# Allegro board 038RT-9068CJK8E-A100_0921.brd (continued)
## Routing (per net, layer and track width the routed paths; a pad name or vN(x,y) marks a point on that pad's centre or on a via; arc(x,y) is an arc through that point) (continued)
S1_U4_GIGA_MDI-: length 14.7
  TOP w0.105: v1(665.15,226.41) 665.25,226.31 667.14,226.31 668.3,225.15 668.3,220.59 669.59,219.31 671.64,219.31 UNK1GPHY3.2
  BOTTOM w0.105: v1(665.15,226.41) 665.05,226.31 663.54,226.31 UNK1K145.11
S1_U4_P0_MDI+: length 292.1
  L15_SIGNAL w0.1: UNK1K240.3 545.75,50.35 545.85,50.45 545.85,58.51 521.95,82.41 418.11,82.41 404.4,96.13 404.4,148.75 372.89,180.26 372.89,195.76 374.74,197.62 374.74,204.18 375.33,204.78 376.71,204.78 376.81,204.88 UNK1K60.2
S1_U4_P0_MDI-: length 291.5
  L15_SIGNAL w0.1: UNK1K60.7 376.81,204.32 376.71,204.42 375.49,204.42 375.1,204.03 375.1,197.46 373.25,195.61 373.25,180.41 404.76,148.9 404.76,96.28 418.27,82.77 522.11,82.77 546.22,58.66 546.22,50.45 546.32,50.35 UNK1K240.6
S1_U4_P1_MDI+: length 294.1
  L15_SIGNAL w0.1: UNK1K64.2 352.2,204.32 352.1,204.42 347.24,204.42 346.71,203.89 346.71,197.02 398.86,144.87 398.86,92.62 414.36,77.12 514.23,77.12 532.25,59.1 532.25,53.65 532.35,53.55 UNK1K241.3
S1_U4_P1_MDI-: length 294.7
  L15_SIGNAL w0.1: UNK1K64.7 352.2,204.88 352.1,204.78 347.09,204.78 346.35,204.04 346.35,196.87 398.5,144.72 398.5,92.47 414.21,76.76 514.08,76.76 531.88,58.95 531.88,53.65 531.78,53.55 UNK1K241.6
S1_U4_P2_R_1: length 18.2
  TOP w0.508: UNK1R542.2 UNK1GPHY2.G2 674.17,236.09 674.17,240.16 UNK1GPHY2.G1 UNK1GPHY2.G3
S1_U4_P2_R_2: length 21.8
  TOP w0.508: UNK1GPHY2.G4 679.31,238.76 682.57,242.02 UNK1GPHY2.G5 ; UNK1GPHY2.G4 UNK1R543.2 ; UNK1GPHY2.G4 UNK1GPHY2.G6
S1_U4_P2_RC_1: length 1.3
  TOP w0.508: UNK1R542.1 UNK1C441.1
S1_U4_P2_RC_2: length 1.3
  TOP w0.508: UNK1R543.1 UNK1C442.1
S1_U4_P3_R_1: length 18.4
  TOP w0.508: UNK1R540.1 UNK1GPHY3.G2 674.29,217.16 674.29,220.99 UNK1GPHY3.G1 UNK1GPHY3.G3
S1_U4_P3_R_2: length 21.8
  TOP w0.508: UNK1GPHY3.G6 UNK1GPHY3.G4 ; UNK1GPHY3.G4 679.31,219.71 682.57,222.97 UNK1GPHY3.G5 ; UNK1GPHY3.G4 UNK1R541.2
S1_U4_P3_RC_1: length 1.3
  TOP w0.508: UNK1R540.2 UNK1C439.1
S1_U4_P3_RC_2: length 1.3
  TOP w0.508: UNK1R541.1 UNK1C440.1
S1_U4_P5_MDI+: length 302.3
  L15_SIGNAL w0.1: UNK1K242.3 539.4,50.35 539.5,50.45 539.5,58.18 517.6,80.08 415.62,80.08 401.4,94.3 401.4,146.76 368.32,179.84 368.32,196.72 369.36,197.76 369.36,211 370.25,211.89 376.71,211.89 376.81,211.99 UNK1K130.2
S1_U4_P5_MDI-: length 301.7
  L15_SIGNAL w0.1: UNK1K242.6 539.97,50.35 539.87,50.45 539.87,58.33 517.75,80.44 415.77,80.44 401.77,94.45 401.77,146.91 368.68,179.99 368.68,196.57 369.72,197.61 369.72,210.85 370.4,211.53 376.71,211.53 376.81,211.43 UNK1K130.7
S1_U4_P6_MDI+: length 300.4
  L15_SIGNAL w0.1: UNK1K140.2 352.2,211.43 352.1,211.53 345.41,211.53 344.76,210.87 344.76,193.57 395.7,142.62 395.7,90.96 411.7,74.96 510,74.96 525.9,59.06 525.9,53.65 526,53.55 UNK1K243.3
S1_U4_P6_MDI-: length 301
  L15_SIGNAL w0.1: UNK1K243.6 525.43,53.55 525.53,53.65 525.53,58.91 509.85,74.59 411.55,74.59 395.34,90.81 395.34,142.47 344.39,193.42 344.39,211.02 345.26,211.89 352.1,211.89 352.2,211.99 UNK1K140.7
S1_U4PI_P0_MDI+: length 63.7
  L13_SIGNAL w0.1: UNK1MQS1.1 686.33,114.2 686.43,114.1 687.95,114.1 688.16,114.31 688.16,116.28 687.48,116.96 679.89,116.96 679.19,117.66 679.19,123.16 673.3,129.05 667.85,129.05 667.36,128.56 667.36,126.72 667.87,126.21 672.53,126.21 674.53,124.22 674.53,119.89 674.87,119.54 677.35,119.54 677.67,119.23 677.67,117.71 677.27,117.31 676.38,117.31 676.21,117.14 676.21,116.98 676.03,116.81 675.78,116.81 675.61,116.98 675.61,117.14 675.43,117.31 675.18,117.31 675.01,117.14 675.01,116.98 674.83,116.81 674.58,116.81 674.41,116.98 674.41,117.14 674.23,117.31 673.47,117.31 v2(673.27,117.11)
  BOTTOM w0.105: v2(673.27,117.11) 673.13,117.26 671.29,117.26 670.61,116.58 669.53,116.58 UNK1U17.45
S1_U4PI_P0_MDI-: length 63.7
  L13_SIGNAL w0.1: v2(673.27,117.87) 673.47,117.68 677.12,117.68 677.3,117.86 677.3,119.08 677.2,119.18 674.72,119.18 674.17,119.74 674.17,124.07 672.38,125.85 667.72,125.85 667,126.57 667,128.71 667.7,129.41 673.45,129.41 679.55,123.31 679.55,117.81 680.04,117.32 687.63,117.32 688.52,116.43 688.52,114.16 688.1,113.74 686.43,113.74 686.33,113.64 UNK1MQS1.2
  BOTTOM w0.105: v2(673.27,117.87) 673.13,117.73 671.1,117.73 670.42,117.04 669.53,117.04 UNK1U17.44
S1_U4PI_P1_MDI+: length 57.8
  L13_SIGNAL w0.1: v2(672.13,119.43) 671.93,119.63 670.42,119.63 669.09,120.96 669.09,121.72 667.66,123.15 662.71,123.15 661.95,122.4 661.95,107.35 662.83,106.47 664.46,106.47 667.37,109.38 675.14,109.38 677.8,112.04 677.8,112.29 677.69,112.4 677.69,112.65 677.87,112.82 678.12,112.82 678.23,112.71 678.48,112.71 678.65,112.89 678.65,113.14 678.54,113.25 678.54,113.5 678.72,113.67 678.97,113.67 679.08,113.56 679.33,113.56 679.86,114.1 683.69,114.1 683.79,114.2 UNK1MQS1.10
  BOTTOM w0.105: UNK1U17.39 669.53,119.58 671.98,119.58 v2(672.13,119.43)
S1_U4PI_P1_MDI-: length 57.8
  L13_SIGNAL w0.1: v2(672.13,120.19) 671.93,119.99 670.57,119.99 669.45,121.11 669.45,121.87 667.81,123.52 662.56,123.52 661.59,122.55 661.59,107.2 662.68,106.11 664.61,106.11 667.52,109.02 675.29,109.02 680.01,113.74 683.69,113.74 683.79,113.64 UNK1MQS1.11
  BOTTOM w0.105: v2(672.13,120.19) 671.98,120.04 669.53,120.04 UNK1U17.38
S1_U4PI_P5_MDI+: length 52.1
  L11_SIGNAL w0.1: UNK1MQS1.3 686.33,109.12 686.43,109.02 688.12,109.02 688.37,109.27 688.37,116.45 687.81,117 680.79,117 679.84,117.95 679.84,124.92 679.31,125.46 675.37,125.46 674.78,124.87 674.78,118.56 677.28,116.06 677.28,115.15 676.76,114.63 675.65,114.63 675.48,114.45 675.48,114.3 675.3,114.12 675.05,114.12 674.87,114.3 674.87,114.45 674.7,114.63 674.45,114.63 674.27,114.45 674.27,114.3 674.1,114.12 673.85,114.12 673.67,114.3 673.67,114.45 673.5,114.63 672.33,114.63 v2(672.13,114.43)
  BOTTOM w0.105: UNK1U17.49 669.53,114.58 671.98,114.58 v2(672.13,114.43)
S1_U4PI_P5_MDI-: length 52.1
  L11_SIGNAL w0.1: v2(672.13,115.19) 672.33,114.99 676.61,114.99 676.92,115.3 676.92,115.91 674.42,118.41 674.42,125.02 675.22,125.82 679.46,125.82 680.2,125.07 680.2,118.1 680.94,117.37 687.97,117.37 688.73,116.6 688.73,109.12 688.27,108.66 686.43,108.66 686.33,108.56 UNK1MQS1.4
  BOTTOM w0.105: UNK1U17.48 669.53,115.04 671.98,115.04 v2(672.13,115.19)
S1_U4PI_P6_MDI+: length 28.2
  L11_SIGNAL w0.1: v2(672.13,111.43) 671.93,111.63 670.32,111.63 669.89,111.2 669.89,109.62 670.49,109.02 673.54,109.02 674.16,109.63 674.16,111.53 674.68,112.06 676.96,112.06 677.36,111.66 677.36,109.18 677.52,109.02 679.08,109.02 679.26,109.2 679.26,109.35 679.43,109.53 679.68,109.53 679.86,109.35 679.86,109.2 680.03,109.02 680.28,109.02 680.46,109.2 680.46,109.35 680.63,109.53 680.88,109.53 681.06,109.35 681.06,109.2 681.24,109.02 683.69,109.02 683.79,109.12 UNK1MQS1.12
  BOTTOM w0.105: v2(672.13,111.43) 671.98,111.58 669.53,111.58 UNK1U17.55
S1_U4PI_P6_MDI-: length 28.2
  L11_SIGNAL w0.1: UNK1MQS1.13 683.79,108.56 683.69,108.66 677.37,108.66 677,109.03 677,111.51 676.81,111.7 674.83,111.7 674.52,111.38 674.52,109.48 673.69,108.66 670.34,108.66 669.53,109.47 669.53,111.35 670.17,111.99 671.93,111.99 v2(672.13,112.19)
  BOTTOM w0.105: v2(672.13,112.19) 671.98,112.04 669.53,112.04 UNK1U17.54
S1_U4PILB_P0_MDI+: length 87.9
  L15_SIGNAL w0.1: v2(666.89,90.38) 666.69,90.58 665.79,90.58 665.48,90.89 665.48,92.12 665.82,92.46 668.57,92.46 669.2,93.09 669.2,100.37 668.88,100.69 665.41,100.69 664.9,101.19 664.9,104.73 665.72,105.55 671.61,105.55 672.23,104.94 672.23,100.93 672.87,100.28 674.34,100.28 674.82,100.76 674.82,124.94 674.06,125.69 667.17,125.69 666.77,125.28 666.77,123.04 666.96,122.84 668.82,122.84 669.62,122.03 669.62,118.24 669.01,117.63 667.09,117.63 v2(666.89,117.43)
  BOTTOM w0.105: v2(666.89,117.43) 667.04,117.58 669.49,117.58 UNK1U17.43 ; UNK1U18.59 669.49,90.53 667.04,90.53 v2(666.89,90.38)
S1_U4PILB_P0_MDI-: length 87.9
  L15_SIGNAL w0.1: v2(666.89,91.14) 666.69,90.94 665.94,90.94 665.84,91.04 665.84,91.97 665.97,92.1 668.72,92.1 669.56,92.94 669.56,100.52 669.03,101.05 665.56,101.05 665.26,101.35 665.26,104.58 665.87,105.19 671.46,105.19 671.86,104.79 671.86,100.78 672.72,99.92 674.49,99.92 675.18,100.61 675.18,125.09 674.21,126.05 667.02,126.05 666.4,125.44 666.4,122.89 666.81,122.48 668.67,122.48 669.26,121.88 669.26,118.39 668.86,117.99 667.09,117.99 v2(666.89,118.19)
  BOTTOM w0.105: UNK1U17.42 669.49,118.04 667.04,118.04 v2(666.89,118.19) ; v2(666.89,91.14) 667.04,90.99 669.49,90.99 UNK1U18.58
S1_U4PILB_P1_MDI+: length 76.6
  L17_SIGNAL w0.1: v2(666.89,120.43) 666.69,120.63 666.43,120.63 666.33,120.53 666.33,119.93 666.6,119.66 667.41,119.66 667.62,119.44 668.75,119.44 669.48,118.71 669.48,106.03 670.24,105.27 673.02,105.27 673.56,105.81 673.56,112.34 674.26,113.05 675.8,113.05 676.57,112.28 676.57,88.55 675.88,87.86 670.15,87.86 669.36,88.65 669.36,93.18 668.96,93.58 667.09,93.58 v2(666.89,93.38)
  BOTTOM w0.105: v2(666.89,93.38) 667.04,93.53 669.49,93.53 UNK1U18.53 ; v2(666.89,120.43) 667.04,120.58 669.49,120.58 UNK1U17.37
S1_U4PILB_P1_MDI-: length 76.6
  L17_SIGNAL w0.1: v2(666.89,121.19) 666.69,120.99 666.28,120.99 665.97,120.68 665.97,119.78 666.45,119.29 667.26,119.29 667.47,119.08 668.6,119.08 669.12,118.56 669.12,105.88 670.09,104.9 673.17,104.9 673.92,105.66 673.92,112.19 674.41,112.68 675.65,112.68 676.21,112.13 676.21,88.7 675.73,88.22 670.3,88.22 669.72,88.8 669.72,93.33 669.11,93.94 667.09,93.94 v2(666.89,94.14)
  BOTTOM w0.105: UNK1U17.36 669.49,121.04 667.04,121.04 v2(666.89,121.19) ; v2(666.89,94.14) 667.04,93.99 669.49,93.99 UNK1U18.52
S1_U4PILB_P5_MDI+: length 77.2
  L15_SIGNAL w0.1: v2(665.74,114.74) 665.94,114.94 668.32,114.94 668.62,114.64 668.62,111.86 668.23,111.47 667.16,111.47 665.23,109.54 662.15,109.54 661.84,109.86 661.84,123.11 660.95,124 656.94,124 656.07,123.13 656.07,102.42 656.74,101.74 659.5,101.74 659.72,101.53 661.05,101.53 661.68,100.9 661.68,97.04 662.14,96.58 663.63,96.58 664.32,95.89 665.55,95.89 v2(665.74,95.69)
  BOTTOM w0.105: UNK1U17.47 669.49,115.58 668.6,115.58 667.92,114.89 665.89,114.89 v2(665.74,114.74) ; v2(665.74,95.69) 665.89,95.84 667.92,95.84 668.6,96.53 669.49,96.53 UNK1U18.47
S1_U4PILB_P5_MDI-: length 77.2
  L15_SIGNAL w0.1: v2(665.74,115.5) 665.94,115.3 668.48,115.3 668.98,114.79 668.98,111.71 668.38,111.11 667.31,111.11 665.38,109.18 662,109.18 661.48,109.7 661.48,122.96 660.8,123.63 657.09,123.63 656.43,122.98 656.43,102.57 656.89,102.11 659.65,102.11 659.87,101.89 661.21,101.89 662.04,101.05 662.04,97.19 662.29,96.94 663.78,96.94 664.47,96.25 665.55,96.25 v2(665.74,96.45)
  BOTTOM w0.105: UNK1U17.46 669.49,116.04 668.41,116.04 667.73,115.35 665.89,115.35 v2(665.74,115.5) ; v2(665.74,96.45) 665.89,96.3 667.73,96.3 668.41,96.99 669.49,96.99 UNK1U18.46
S1_U4PILB_P6_MDI+: length 23.8
  L17_SIGNAL w0.1: v2(666.89,98.38) 667.09,98.58 668.65,98.58 668.96,98.89 668.96,100.44 665.78,103.62 665.78,112.5 665.91,112.63 666.69,112.63 v2(666.89,112.43)
  BOTTOM w0.105: v2(666.89,112.43) 667.04,112.58 669.49,112.58 UNK1U17.53 ; UNK1U18.43 669.49,98.53 667.04,98.53 v2(666.89,98.38)
S1_U4PILB_P6_MDI-: length 23.8
  L17_SIGNAL w0.1: v2(666.89,113.19) 666.69,112.99 665.76,112.99 665.42,112.65 665.42,103.47 668.6,100.29 668.6,99.04 668.5,98.94 667.09,98.94 v2(666.89,99.14)
  BOTTOM w0.105: UNK1U17.52 669.49,113.04 667.04,113.04 v2(666.89,113.19) ; v2(666.89,99.14) 667.04,98.99 669.49,98.99 UNK1U18.42
S1_U6_VDD: length 20.9
  BOTTOM w0.115: v2(658.8,18.1) 658.93,17.96 UNK1R137.1
  BOTTOM w0.305: UNK1U6.56 650.42,45.53 v2(649.92,46.04) ; v2(660.46,42.98) 660.01,42.53 UNK1U6.15 ; UNK1U6.20 v2(660.46,40.03) ; v2(649.92,37.84) 650.22,37.53 UNK1U6.40 ; v2(660.46,36.88) 660.31,37.03 UNK1U6.26 ; UNK1U6.24 660.34,38.03 v2(660.46,38.15) ; v2(652.8,33.78) 652.55,34.03 UNK1U6.33 ; v2(660.46,34.47) 660.4,34.53 UNK1U6.31 ; UNK1U6.16 660.13,42.03 v2(660.46,41.71) ; UNK1U6.64 v2(652.8,49.53) ; UNK1U6.2 v2(657.55,49.03) ; UNK1U6.11 v2(660.46,44.53) ; UNK1U6.8 v2(660.46,46.03)
  vias: v2(658.8,21.91) v2(658.8,20.64) v2(658.8,19.37)
S1_U17_VDD: length 35.4
  BOTTOM w0.305: v2(668.03,103.51) 668.03,103.51 UNK1U18.33 ; v2(660.32,112.06) 660.32,112.06 UNK1U17.11 ; v2(660.32,93.01) 660.32,93.01 UNK1U18.11 ; UNK1U18.16 662.99,95.51 v2(663.11,95.63) ; UNK1U18.26 663.28,100.51 v2(663.28,100.51) ; v2(663.28,103.01) 663.28,103.01 UNK1U18.31 ; UNK1U17.2 663.13,107.56 v2(663.24,107.44) ; UNK1U17.24 660.32,118.56 v2(660.32,118.56) ; UNK1U18.20 660.32,97.51 v2(660.32,97.51) ; v2(670.99,92.01) 670.99,92.01 UNK1U18.56 ; UNK1U17.20 660.32,116.56 v2(660.32,116.56) ; UNK1U17.16 662.99,114.56 v2(663.11,114.68) ; UNK1U17.8 663.28,110.56 v2(663.28,110.56) ; v2(670.99,119.06) 670.99,119.06 UNK1U17.40 ; UNK1U18.8 663.28,91.51 v2(663.28,91.51) ; UNK1U17.31 663.28,122.06 v2(663.28,122.06) ; v2(670.99,111.06) 670.99,111.06 UNK1U17.56 ; UNK1U17.15 660.46,114.06 v2(660.32,113.92) ; UNK1U18.24 660.32,99.51 v2(660.32,99.51) ; v2(663.24,88.39) 663.13,88.51 UNK1U18.2 ; UNK1U18.15 660.46,95.01 v2(660.32,94.87) ; v2(670.99,100.01) 670.99,100.01 UNK1U18.40 ; v2(663.28,119.56) 663.28,119.56 UNK1U17.26 ; UNK1U17.64 670.99,107.06 v2(670.99,107.06)
  vias: v2(666.29,85.92) v2(667.56,85.92) v2(668.83,124.65) v2(668.83,85.92) v2(670.1,124.65) v2(670.1,85.92)
S1_VBAT:
  vias: v1(402.9,208.62) v2(546.62,30.03) v2(546.62,28.76) v2(546.62,27.49) v2(546.62,24.31) v2(546.62,20.5) v2(546.62,19.23) v2(546.62,17.96) v2(649.06,84.19) v2(649.06,81.65) v2(649.06,79.11) v2(651.6,84.19) v2(651.6,81.65) v2(651.6,79.11) v2(654.14,84.19) v2(654.14,81.65) v2(654.14,79.11) v2(656.68,84.19) v2(656.68,81.65) v2(656.68,79.11) v2(659.22,84.19) v2(659.22,81.65) v2(659.22,79.11) v2(661.76,84.19) v2(661.76,81.65) v2(661.76,79.11) v2(664.3,84.19) v2(664.3,81.65) v2(664.3,79.11)
S1_VO09: length 326.2
  L19_SIGNAL w0.102: 396.86,208.22 400.1,208.22 v1(400.5,208.62)
  L19_SIGNAL w0.105: v2(359.38,59.5) 365.63,65.74 368.17,65.74 409.71,107.28 409.71,116.39 411.15,117.84 SLOT1-DOWN.E13 ; v2(359.38,58.23) 354.1,63.52 344.63,63.52 340.99,67.16 340.99,212.3 344.09,215.4 349.93,215.4 351.11,216.59 351.11,220.52 v1(352.21,221.62) 353.36,220.47 378.04,220.47 381.78,216.73 388.84,216.73 389.88,215.69 389.88,208.79 390.45,208.22 396.86,208.22
  vias: v1(352.21,222.88) v1(353.48,222.88) v1(353.48,221.62) v1(354.75,222.88) v1(354.75,221.62) v1(356.02,222.88) v1(356.02,221.62) v2(359.38,56.96) v2(360.65,59.5) v2(360.65,58.23) v2(360.65,56.96) v2(361.92,59.5) v2(361.92,58.23) v2(361.92,56.96)
S1_VSENSE:
  vias: v1(400.5,209.42)
S1_WAKE:
  vias: v1(400.5,206.22)
S1_WP: length 25.9
  L03_SIGNAL w0.102: 412.92,205.82 410.5,205.82 v1(410.1,206.22)
  L03_SIGNAL w0.145: v1(435.24,206.53) 434.6,205.89 427.68,205.89 427.27,206.3 415.68,206.3 415.21,205.82 412.92,205.82
S2_1_CKXTAL1: length 3.8
  BOTTOM w0.115: UNK2Y7.3 319.71,271.63 UNK2C169.2 UNK2K34.5
S2_1_CKXTAL2: length 6.3
  BOTTOM w0.115: UNK2Y7.1 321.71,274.69 320.68,275.72 320.12,275.72 319.24,274.83 UNK2C168.2 UNK2K34.4
S2_1_INH: length 9
  BOTTOM w1.016: UNK2K6.4 112.47,444.32 112.47,442.09 110.52,440.14 UNK2R362.1
S2_1_NGATE: length 10.6
  BOTTOM w0.61: UNK2K11.8 244.9,280.66 241.47,280.66 240.52,281.61 240.52,284.66
S2_1_P6_HSI+: length 19.9
  L46_SIGNAL w0.185: 246.58,249.61 244.69,249.61 244.23,250.07 240.77,250.07 238.05,247.36 235.89,247.36
  L46_SIGNAL w0.2: 235.89,247.36 v3(235.78,247.24) ; v3(246.69,249.49) 246.58,249.61
  BOTTOM w0.14: v3(246.69,249.49) 246.83,249.63 247.64,249.63 247.89,249.38 249.22,249.38 UNK2K213.31 ; UNK2K214.12 231.1,247.38 235.64,247.38 v3(235.78,247.24)
S2_1_P6_HSI-: length 19.9
  L46_SIGNAL w0.185: 246.58,250.04 244.87,250.04 244.41,250.51 240.59,250.51 237.87,247.79 235.89,247.79
  L46_SIGNAL w0.2: v3(246.69,250.15) 246.58,250.04 ; 235.89,247.79 v3(235.78,247.9)
  BOTTOM w0.14: UNK2K214.11 231.1,247.77 235.64,247.77 v3(235.78,247.9) ; v3(246.69,250.15) 246.83,250.02 247.8,250.02 248.05,249.77 249.22,249.77 UNK2K213.32
S2_1_P6_HSO+: length 117.7
  BOTTOM w0.14: UNK2K217.11 139.06,263.57 148.84,263.57 154.28,258.12 211.64,258.12 214.19,260.67 234.42,260.67 243.07,252.02 246.93,252.02 248.18,250.77 249.22,250.77 UNK2K213.34
S2_1_P6_HSO-: length 117.7
  BOTTOM w0.14: UNK2K213.33 249.22,250.38 248.01,250.38 246.76,251.63 242.91,251.63 234.26,260.28 214.35,260.28 211.8,257.73 154.12,257.73 148.68,263.18 139.06,263.18 UNK2K217.12
S2_1_P7_HSI+: length 22.4
  BOTTOM w0.14: UNK2K214.16 231.1,245.38 238.69,245.38 242.44,241.63 247.29,241.63 248.3,242.63 248.3,244.74 248.44,244.88 249.22,244.88 UNK2K213.22
S2_1_P7_HSI-: length 22.4
  BOTTOM w0.14: UNK2K213.23 249.22,245.27 248.28,245.27 247.91,244.9 247.91,242.8 247.13,242.02 242.6,242.02 238.85,245.77 231.1,245.77 UNK2K214.15
S2_1_P7_HSO+: length 123.4
  BOTTOM w0.14: UNK2K217.15 139.06,261.57 145.39,261.57 151.29,255.67 213,255.67 216.11,258.78 232.73,258.78 241.34,250.16 241.34,246.34 243.77,243.91 245.78,243.91 248.13,246.27 249.22,246.27 UNK2K213.25
S2_1_P7_HSO-: length 123.4
  BOTTOM w0.14: UNK2K217.16 139.06,261.18 145.23,261.18 151.13,255.28 213.16,255.28 216.27,258.39 232.57,258.39 240.95,250 240.95,246.18 243.61,243.52 245.94,243.52 248.29,245.88 249.22,245.88 UNK2K213.24
S2_1_PGATE: length 13.8
  BOTTOM w0.61: UNK2CMOS1.4 237.98,281.3 241.73,277.55 UNK2K11.5
S2_1_WAKE:
  vias: v2(125.28,420.03)
S2_2_GPIOA1: length 1.8
  BOTTOM w0.115: UNK2K124.3 UNK2R328.2
S2_2_GPIOA2: length 1.8
  BOTTOM w0.115: UNK2K124.6 UNK2R327.2
S2_AVDD09: length 14.2
  TOP w0.508: S2_AVDD09.1 279.89,239.48 280.93,240.52 280.93,246.72 279.79,247.86 279.79,250.78 v1(279.98,250.97)
  vias: v1(279.98,251.6) v1(280.5,270.22) v1(280.5,259.82) v1(281.3,270.22) v1(281.3,259.82) v1(282.9,260.62) v1(283.7,273.42) v1(283.7,271.02) v1(283.7,259.82) v1(284.5,259.82) v1(285.3,259.82) v1(286.1,259.82) v1(286.9,269.42) v1(286.9,260.62) v1(287.7,269.42) v1(287.7,261.42) v1(288.5,261.42) v1(289.3,271.82) v1(289.3,271.02) v1(289.3,270.22) v1(290.1,271.02) v1(290.1,270.22)
S2_AVDD09_VO09: length 6.7
  TOP w3.048: UNK2K4.8 331.1,423.21 UNK2RD21.1
S2_AVDD33: length 19.2
  TOP w0.508: S2_AVDD33.1 259.5,259.95 259.69,260.14 272.25,260.14 v1(273.96,261.85)
  vias: v1(274.6,261.85) v1(280.5,271.82) v1(280.5,271.02) v1(281.3,271.02) v1(281.3,268.62) v1(282.1,271.02) v1(282.1,270.22) v1(282.9,271.02) v1(282.9,270.22) v1(283.7,269.42) v1(284.5,261.42) v1(285.3,261.42) v1(286.1,270.22) v1(286.9,272.62) v1(287.7,272.62) v1(288.5,272.62) v1(289.3,269.42) v1(289.3,268.62) v1(289.3,261.42) v1(290.1,269.42) v1(290.1,268.62) v1(290.1,261.42) v1(290.1,259.82) v1(290.9,272.62) v1(291.7,272.62)
S2_AVDD33_MOSFET: length 17.6
  L15_SIGNAL w0.102: 277.8,267.42 280.9,267.42 v1(281.3,267.02)
  L15_SIGNAL w0.203: 277.8,267.42 277.53,267.69 272.2,267.69 269.34,270.55 268.47,270.55 268.16,270.23 268.16,269.19 268.49,268.86 v2(268.97,268.86)
  BOTTOM w0.203: UNK2ST5.1 v2(268.97,268.86)
  vias: v1(239.25,285.29) v1(239.25,284.66) v1(239.25,284.02) v1(239.25,283.39) v1(239.25,282.75) v1(239.25,282.12) v1(272.88,270.44) v1(272.88,269.81) v1(272.88,269.17) v1(273.51,270.44) v1(273.51,269.81) v1(273.51,269.17)
S2_CHR_FE_MDI+: length 4
  TOP w0.105: UNK2R130.1 61.05,379.39 61.05,381.55 60.92,381.69 UNK2K58.4
S2_CHR_FE_MDI-: length 4
  TOP w0.105: UNK2R130.2 61.52,379.39 61.52,381.55 61.65,381.69 UNK2K58.5
S2_CHR_FE_MDIX+: length 4
  TOP w0.105: UNK2K54.4 53.88,381.69 54.01,381.55 54.01,379.39 UNK2R126.1
S2_CHR_FE_MDIX-: length 4
  TOP w0.105: UNK2R126.2 54.47,379.39 54.47,381.55 54.61,381.69 UNK2K54.5
S2_CKXTAL1: length 29.2
  TOP w0.115: UNK2K34.6 313.19,273.12 306.6,273.12 305.09,274.63 288.1,274.63 287.7,274.23 SITE2.A13
S2_CKXTAL2: length 30.3
  TOP w0.115: UNK2K34.3 313.61,275.9 287.54,275.9 286.9,275.26 SITE2.A12
S2_DCH_AT+: length 97.1
  L05_SIGNAL w0.1: 289.87,273.84 289.89,273.87 289.89,274.93 290.84,275.88 305.28,275.88 307.81,273.35 317.15,273.35 322.5,268.01 322.5,222.29 326.1,218.69 327.77,218.69 327.87,218.79 v1(327.87,222.44)
  L05_SIGNAL w0.102: v1(289.3,272.62) 289.7,273.02 289.7,273.67 289.87,273.84
  BOTTOM w0.115: v1(327.87,222.44) MUX15.4
S2_DCH_AT-: length 97.1
  L05_SIGNAL w0.1: 290.26,273.84 290.26,273.86 290.25,273.87 290.25,274.78 290.99,275.51 305.13,275.51 307.66,272.99 317,272.99 322.13,267.86 322.13,222.14 325.95,218.32 326.36,218.32 326.48,218.21 326.48,218.01 326.6,217.9 326.76,217.9 326.88,218.01 326.88,218.21 327,218.32 327.77,218.32 327.87,218.22 v1(327.87,214.57)
  L05_SIGNAL w0.102: v1(290.1,272.62) 290.5,273.02 290.5,273.6 290.26,273.84
  BOTTOM w0.115: v1(327.87,214.57) MUX15.9
S2_DCH_P4_HSI+: length 289.9
  L36_SIGNAL w0.1: v1(339.62,279.59) 339.88,279.34 339.88,275.99 340.03,275.84 340.46,275.84 340.7,276.08 340.7,280.13 338.12,282.71 338.12,283.66 338.01,283.78 337.8,283.78 337.68,283.9 337.68,284.06 337.8,284.18 338.01,284.18 338.12,284.3 338.12,284.46 338.01,284.58 337.8,284.58 337.68,284.7 337.68,284.86 337.8,284.98 338.01,284.98 338.12,285.1 338.12,287.46 337.24,288.34 314.8,288.34 308.02,281.56 308.02,247.17 305.35,244.5 294.28,244.5 292.13,246.64 277.38,246.64 275.3,244.56 266.36,244.56 252.13,258.8 214.45,258.8 211.38,261.87 167.54,261.87 164.02,265.39 151.31,265.39 143.07,273.63 139.78,273.63 138.69,274.71 138.69,279.97 137.96,280.7 135.98,280.7 133.09,283.6 132.21,283.6 v1(132.06,283.45)
  BOTTOM w0.105: UNK2K184.33 135.01,282.3 133.18,282.3 132.67,282.8 132.67,283.28 132.41,283.55 132.16,283.55 v1(132.06,283.45)
  BOTTOM w0.115: v1(339.62,279.59) MUX1.4
S2_DCH_P4_HSI-: length 289.9
  L36_SIGNAL w0.1: v1(132.06,284.11) 132.21,283.96 133.24,283.96 136.13,281.07 138.11,281.07 139.06,280.12 139.06,274.86 139.93,273.99 143.23,273.99 151.46,265.76 164.17,265.76 167.69,262.24 211.53,262.24 214.6,259.17 252.28,259.17 266.52,244.93 275.15,244.93 277.23,247.01 292.29,247.01 294.43,244.86 305.2,244.86 307.66,247.32 307.66,281.71 314.65,288.7 337.39,288.7 338.49,287.61 338.49,282.86 341.06,280.28 341.06,275.93 340.6,275.47 340.03,275.47 339.88,275.32 339.88,271.97 v1(339.62,271.72)
  BOTTOM w0.105: v1(132.06,284.11) 132.16,284.01 132.6,284.01 133.14,283.47 133.14,282.99 133.37,282.76 135.01,282.76 UNK2K184.34
  BOTTOM w0.115: v1(339.62,271.72) MUX1.9
S2_DCH_P4_HSO+: length 354.5
  L40_SIGNAL w0.1: v1(132.06,281.45) 131.92,281.6 130.8,281.6 130.35,281.15 130.35,280.37 130.47,280.25 130.67,280.25 130.79,280.13 130.79,279.96 130.67,279.85 130.47,279.85 130.35,279.73 130.35,279.56 130.47,279.45 130.67,279.45 130.79,279.33 130.79,279.16 130.67,279.05 130.47,279.05 130.35,278.93 130.35,278.39 134.9,273.83 134.9,243.11 132.98,241.19 132.98,236.04 126.02,229.08 126.02,195.78 127.32,194.48 144.18,194.48 147.89,198.19 183.35,198.19 199.64,214.48 199.64,223.84 201.95,226.14 213.99,226.14 220.16,232.31 234.95,232.31 238.23,235.59 303.39,235.59 318.51,220.48 318.51,202.94 325.62,195.83 327.77,195.83 327.87,195.93 v1(327.87,199.58)
  BOTTOM w0.105: UNK2K184.31 135.01,281.3 132.73,281.3 132.48,281.55 132.16,281.55 v1(132.06,281.45)
  BOTTOM w0.115: v1(327.87,199.58) MUX2.4
S2_DCH_P4_HSO-: length 354.5
  L40_SIGNAL w0.1: v1(327.87,191.71) 327.87,195.36 327.77,195.46 325.47,195.46 318.14,202.79 318.14,220.33 303.24,235.23 238.38,235.23 235.1,231.94 220.31,231.94 214.14,225.78 202.1,225.78 200.01,223.69 200.01,214.33 183.5,197.83 148.04,197.83 144.33,194.12 127.17,194.12 125.66,195.63 125.66,229.23 132.62,236.19 132.62,241.34 134.54,243.26 134.54,273.68 129.99,278.24 129.99,281.3 130.65,281.96 131.92,281.96 v1(132.06,282.11)
  BOTTOM w0.105: UNK2K184.32 135.01,281.76 132.93,281.76 132.68,282.01 132.16,282.01 v1(132.06,282.11)
  BOTTOM w0.115: v1(327.87,191.71) MUX2.9
S2_DCH_P5_HSI+: length 272.3
  L36_SIGNAL w0.1: v1(328.25,279.59) 328.5,279.34 328.5,275.97 328.6,275.87 331.82,275.87 332.24,276.29 332.24,277.44 332.12,277.55 331.91,277.55 331.79,277.67 331.79,277.84 331.91,277.95 332.12,277.95 332.24,278.07 332.24,278.24 332.12,278.35 331.91,278.35 331.79,278.47 331.79,278.64 331.91,278.75 332.12,278.75 332.24,278.87 332.24,282.23 331.07,283.4 324.62,283.4 321.64,280.42 321.64,278.62 318.48,275.46 318.48,257.77 313.09,252.38 313.09,247.83 305.07,239.81 222.11,239.81 219.8,242.11 219.8,246.92 208.76,257.97 164.26,257.97 159.56,262.66 147.95,262.66 137.74,272.88 135.35,272.88 133.64,274.58 132.21,274.58 v1(132.06,274.43)
  BOTTOM w0.105: v1(132.06,274.43) 132.16,274.53 132.71,274.53 133.3,275.13 133.3,276.9 134.2,277.8 135.01,277.8 UNK2K184.24
  BOTTOM w0.115: v1(328.25,279.59) MUX3.4
S2_DCH_P5_HSI-: length 272.3
  L36_SIGNAL w0.1: v1(328.25,271.72) 328.5,271.97 328.5,275.37 328.63,275.5 331.97,275.5 332.6,276.14 332.6,282.38 331.22,283.76 324.47,283.76 321.27,280.57 321.27,278.77 318.12,275.61 318.12,257.92 312.73,252.53 312.73,247.98 304.92,240.17 222.26,240.17 220.17,242.26 220.17,247.07 208.91,258.33 164.41,258.33 159.71,263.03 148.1,263.03 137.89,273.24 135.5,273.24 133.79,274.94 132.21,274.94 v1(132.06,275.09)
  BOTTOM w0.105: v1(132.06,275.09) 132.16,274.99 132.51,274.99 132.84,275.32 132.84,277.09 134.01,278.26 135.01,278.26 UNK2K184.25
  BOTTOM w0.115: v1(328.25,271.72) MUX3.9
S2_DCH_P5_HSO+: length 276.6
  L36_SIGNAL w0.1: v1(328.19,245.3) 328.45,245.05 328.45,241.65 328.53,241.56 331.62,241.56 331.94,241.89 331.94,244.22 331.7,244.47 331.53,244.47 331.39,244.32 331.22,244.32 331.1,244.44 331.1,244.6 331.25,244.75 331.25,244.91 331.13,245.03 330.97,245.03 330.82,244.89 330.65,244.89 330.54,245 330.54,245.17 330.68,245.32 330.68,245.48 330.14,246.02 325.23,246.02 322.41,243.2 322.41,240.74 313.86,232.19 244.1,232.19 243.31,231.4 207.44,231.4 205.99,232.84 205.99,246.17 203.51,248.66 126.93,248.66 125.74,249.84 125.74,250.98 124.83,251.88 124.83,259.56 125.74,260.47 125.74,264.17 133.13,271.56 133.13,272.2 132.75,272.58 132.21,272.58 v1(132.06,272.43)